# Altium PCB foxbms2-master.PcbDoc (part 4 of 11) (continued)
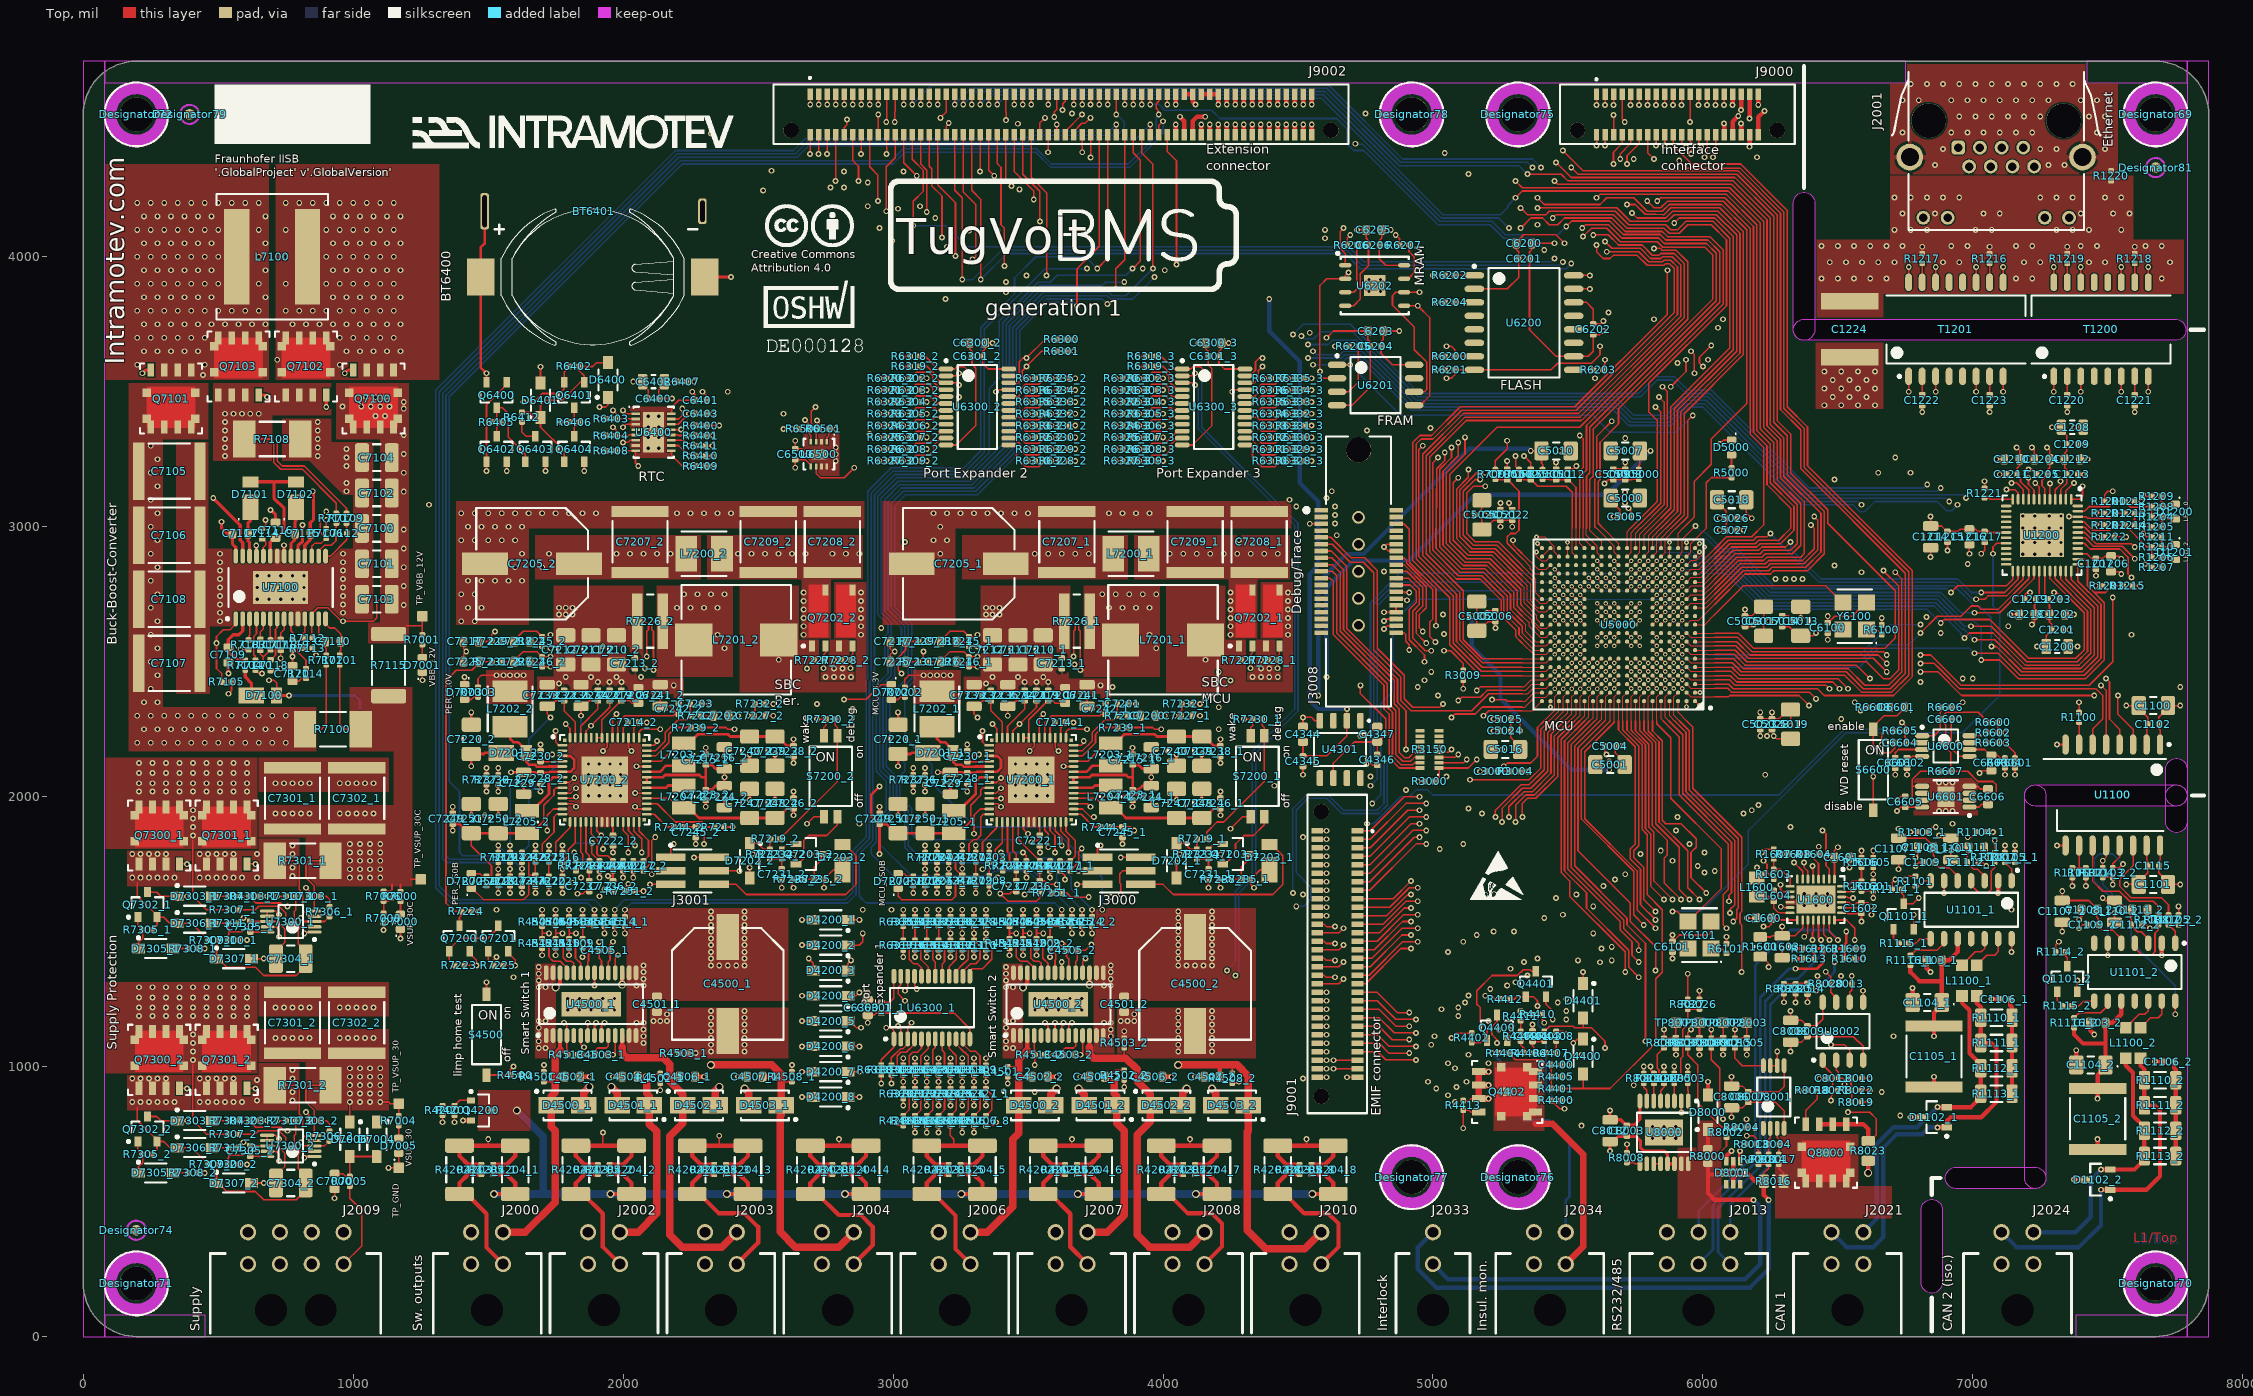
[diagram p0: Top view]
## Part data (continued)
U6601: "Automotive 60-V, 5-µA IQ, 100-mA low-dropout (LDO) voltage regulator with enable and power good", Manufacturer="Texas Instruments", Operating Temperature="-40°C - +125°C", Part Name=TPS7A16A-Q1, PnP Package=HVSSOP-8, Supplier Part Number 1=595-PS7A1650AQDGNRQ1, AEC-Q Grade="Grade 1", AEC-Q Norm=AEC-Q100, Automotive Qualified=True, ComponentLink1Description=Datasheet, ComponentLink1URL=http://www.ti.com/lit/ds/symlink/tps7a16a-q1.pdf, ECCN=EAR99, Part Number=TPS7A1650AQDGNRQ1, Supplier 1=Mouser, Supplier 2=Digikey, Supplier Part Number 2=296-TPS7A1650AQDGNRQ1TR-ND
U7100: "55-V wide VIN synchronous 4-switch buck-boost controller", Manufacturer="Texas Instruments", Operating Temperature="−40°C - +125°C", PnP Package=HTSSOP-28, Supplier Part Number 1=595-LM5176QPWPRQ1, Automotive Qualified=True, ComponentLink1Description=Datasheet, ComponentLink1URL=http://www.ti.com/lit/ds/symlink/lm5176-q1.pdf, Part Name=LM5176QPWPRQ1, Part Number=LM5176QPWPRQ1, Supplier 1=Mouser
U7200_1 U7200_2: "Fail-safe system basis chip with multiple SMPS and LDO", Manufacturer=NXP, Operating Temperature="−40°C - +125°C", PnP Package=HPQFN-56, Supplier Part Number 1=771-MC33FS8530A0ES, AEC-Q Grade="Grade 1", AEC-Q Norm=AEC-Q100, Automotive Qualified=True, ECCN=EAR99, Part Name=MC33FS8530A0ES, Part Number=MC33FS8530A0ES, Supplier 1=Mouser, Supplier 2=Digikey, Supplier Part Number 2=568-MC33FS8530A0ES-ND
U7300_1 U7300_2: "Low Quiescent Current Surge Stopper", Manufacturer="Analog Devices", Operating Temperature="−40°C - +125°C", Supplier Part Number 1=LTC4380HMS-4#PBF-ND, Automotive Qualified=False, ComponentLink1Description=Datasheet, ComponentLink1URL=https://www.analog.com/media/en/technical-documentation/data-sheets/LTC4380.pdf, Part Name=LTC4380HMS-4#PBF, Part Number=LTC4380HMS-4#PBF, Supplier 1=Digikey
U8000: "1000-mΩ Dual-Channel SmartHigh-Side Power Switch", Manufacturer="Texas Instruments", Operating Temperature="−40°C - +125°C", Supplier Part Number 1=595-TPS2H000BQPWPRQ1, AEC-Q Grade="Grade 1", AEC-Q Norm=AEC-Q100, Automotive Qualified=True, ComponentLink1Description=Datasheet, ComponentLink1URL=http://www.ti.com/lit/ds/symlink/tps2h000-q1.pdf, ECCN=EAR99, Part Name=TPS2H000BQPWPRQ1, Part Number=TPS2H000BQPWPRQ1, Supplier 1=Mouser, Supplier 2=Digikey, Supplier 3=Farnell, Supplier Part Number 2=296-45179-1-ND, Supplier Part Number 3=3124090
U8001: "Automotive, Wide Common-Mode Range, High- and Low-Side, Bidirectional, Zero-Drift, Current-Sense Amplifier With Enhanced PWM Rejection", Current - Input Bias=1nA, Current - Output / Channel=65mA, Current - Supply=2mA, Manufacturer="Texas Instruments", Operating Temperature="−40°C - +125°C", Package / Case="8-TSSOP,8-MSOP(0.118\",3.00mmWidth)", Package Description="8-Pin Mini Small Outline Package, Body 3 x 3 mm, Pitch 0.65 mm", Package Reference=RM-8, Package Version=10/2009, Standard Package=50, Supplier Device Package=8-MSOP, Supplier Part Number 1=595-INA240A1QPWRQ1, Voltage - Input Offset=60µV, Voltage - Supply, Single/Dual (±)=5V~36V,±2.5V~18V, -3db Bandwidth=10MHz, AEC-Q Grade="Grade 1", AEC-Q Norm=AEC-Q100, Amplifier Type=Instrumentation, Automotive Qualified=True, Category=IntegratedCircuits(ICs), ComponentLink1Description=Datasheet, ComponentLink1URL=http://www.ti.com/lit/ds/symlink/ina240-q1.pdf, Datasheet URL=http://www.analog.com/media/en/technical-documentation/data-sheets/AD8421.pdf, Datasheet Version="Rev. 0, 05/2012", ECCN=EAR99, EDA / CAD Models=DownloadfromAcceleratedDesigns, Family=Linear-Amplifiers-Instrumentation,OPAmps,BufferAmps, Featured Product=AD8421InstrumentationAmplifier, Gain Bandwidth Product=-, Manufacturer URL=http://www.analog.com/, Mfg Application Notes=WaterAnalysisSolutionforpH&ConductivityMeters, Mounting Technology=SurfaceMount, Mounting Type=SurfaceMount, Number of Circuits=1, Online Catalog=Instrumentation, Output Type=-, Package URL=http://www.analog.com/static/imported-files/packages/PKG_PDF/MSOP%28RM%29/RM_8.pdf, Packaging=Tube, Part Name=INA240A1QPWRQ1, Part Number=INA240A1QPWRQ1, Product Training Modules=CommonPhotodiodeOp-AmpCircuitProblemsandSolutionsIndirectCurrentFeedbackInstrumentationAmplifierApplicationsGuide, Series=-, Slew Rate=35V/µs, Supplier 1=Mouser, Supplier 2=Digikey, Supplier Part Number 2=296-50472-1-ND
U8002: "Automotive Dual Comparators", Manufacturer="Texas Instruments", Operating Temperature="−40°C - +125°C", Supplier Part Number 1=595-LM2903QDRQ1, AEC-Q Grade="Grade 1", AEC-Q Norm=AEC-Q100, Automotive Qualified=True, ComponentLink1Description=Datasheet, ComponentLink1URL=http://www.ti.com/lit/ds/symlink/lm2903-q1.pdf, ECCN=EAR99, Part Name=LM2903QDRQ1, Part Number=LM2903QDRQ1, Supplier 1=Mouser, Supplier 2=Digikey, Supplier Part Number 2=296-15183-1-ND
Y6100: "Automotive AEC-Q100 Oscillator 20MHz", Manufacturer=SiTime, Operating Temperature="-55°C - +125°C", AEC-Q Grade="Grade 0", AEC-Q Norm=AEC-Q100, Automotive Qualified=True, ComponentLink1Description=Datasheet, ComponentLink1URL=https://www.sitime.com/datasheet/SiT8924, ECCN=EAR99, Part Name=SiT8924BAT31-33N-20.000000, Part Number=SiT8924BAT31-33N-20.000000
Y6101: "Automotive AEC-Q100 Oscillator 25MHz", Manufacturer=SiTime, Operating Temperature="-55°C - +125°C", AEC-Q Grade="Grade 0", AEC-Q Norm=AEC-Q100, Automotive Qualified=True, ComponentLink1Description=Datasheet, ComponentLink1URL=https://www.sitime.com/datasheet/SiT8924, ECCN=EAR99, Part Name=SiT8924BAT31-33N-25.000000, Part Number=SiT8924BAT31-33N-25.000000

## Via types
v1: diameter 21.65, hole 11.81, Top to Bottom, 1680 vias
v2: diameter 21.65, hole 11.81, Top to Bottom, tented both sides, 970 vias
v3: diameter 17.72, hole 7.87, Top to Bottom, tented both sides, 172 vias
v4: diameter 17.72, hole 7.87, Top to Bottom, 23 vias
v5: diameter 29.53, hole 19.68, Top to Bottom, tented both sides, 17 vias
v6: diameter 29.53, hole 19.68, Top to Bottom, 9 vias

## Nets (pads, with @x,y where several pads share a name; then routed paths per layer and width w, separated by ;. In a path a pad name is that pad's centre, name@x,y a point inside that pad or via, vN(x,y) a via of type N, cw(c..) or ccw(c..) an arc to the next point about the centre after c; other vN are vias at no path point)
\CAN2.STB_iso_3: R1104_2.1 U1100.12 U1101_2.14 | length 817
  Top w6: R1104_2.1@7481.25,1736.47 v1(7481.25,1762.5) 7493.75,1775 U1100.12@7493.75,1819.24 ; v1(7750,1193.75) U1101_2.14@7750,1242.72
  Bottom w6: v1(7481.25,1762.5) 7481.25,1675 7587.5,1568.75 7587.5,1462.5 7750,1300 v1(7750,1193.75)
\DBG_RESET_1: C3000.2 D6601.1 J3008.9 J9002.69 R3004.1 R6601.1 R6603.2 S6600.2 U5000.B17 | length 8330.1
  Top w4: 5412.5,2281.25 5451.28,2320.03 5451.28,2369.78 U5000.B17@5467.03,2385.53
  Top w6: v1(3763.78,4564.86) J9002.69@3763.78,4602.36 ; J3008.9@4585.43,2960.63 4621,2960.63 4696.59,2885.04 4746.89,2885.04 4793.75,2838.18 4793.75,2550 4893.75,2450 4893.75,2362.5 4925,2331.25 5025,2331.25 v1(5037.5,2343.75) ; C3000.2@5238.83,2093.75 5262.5,2093.75 ; R3004.1@5288.53,2093.75 5262.5,2093.75 ; 5412.5,2281.25 5387.5,2256.25 5387.5,2150 5362.5,2125 5275,2125 v2(5262.5,2112.5) 5262.5,2093.75 ; v2(6631.25,2181.25) S6600.2@6631.25,2250 6631.25,2260.04 6671.21,2300 6719,2300 6746.31,2327.31 D6601.1@6746.31,2331.25 ; R6603.2@7092.72,2200 v2(7118.75,2200) 7156.25,2162.5 R6601.1@7156.25,2142.72
  Int3 (Sig) w6: v1(5050,2075) 5118.75,2075 5159.42,2115.67 5208.8,2115.67 5211.97,2112.5 v2(5262.5,2112.5) 5331.25,2043.75 6631.25,2043.75 6656.25,2068.75 6656.25,2131.25 ; v2(6631.25,2181.25) 6631.25,2156.25 6656.25,2131.25 ; v2(7118.75,2200) 7050,2131.25 6656.25,2131.25
  Int1 (Sig) w6: v1(3462.18,4492.91) 3462.5,4492.58 3462.5,4375 3631.25,4206.25 4887.5,4206.25 5150,3943.75 5150,3287.5 5062.5,3200 5062.5,3156.25 5081.25,3137.5 5081.25,2387.5 v1(5037.5,2343.75) 5037.5,2175.38 5050,2162.88 v1(5050,2075)
  Int5 (Pwr) w6: v1(3462.18,4492.91) 3507.7,4538.43 3586.57,4538.43 3641.89,4593.75 3734.89,4593.75 v1(3763.78,4564.86)
\TRST_13: J3008.21 R3150.16 | length 919.8
  Top w6: J3008.21@4585.43,2809.45 4618.75,2809.45 4631.25,2796.95 4631.25,2600 4818.75,2412.5 4818.75,2325 4837.5,2306.25 4837.5,2143.75 4875.15,2106.1 R3150.16@4952.07,2106.1
A_10_N: T1200.3 U1200.2 | length 596.1
  Top w6: U1200.2@7344.83,3101.62 7344.83,3132.33 v2(7375,3162.5) ; v2(7400,3500) T1200.3@7400,3557.04
  Int1 (Sig) w6: v2(7375,3162.5) 7375,3164.17 7365.33,3173.84 7365.33,3185.5 7365.33,3204.5 cw(c7373.33,3204.5) 7373.33,3212.5 7376.78,3212.5 ccw(c7376.78,3220.5) 7376.78,3228.5 7366.83,3228.5 cw(c7366.83,3236.5) 7366.83,3244.5 ccw(c7366.83,3252.5) 7366.83,3260.5 cw(c7366.83,3268.5) 7366.83,3276.5 7373.33,3276.5 ccw(c7373.33,3284.5) 7373.33,3292.5 cw(c7373.33,3300.5) 7365.33,3300.5 7365.33,3314.23 7365.33,3327.78 7353.17,3339.94 7353.17,3393.92 7371.83,3412.58 7371.83,3434.04 7359.25,3446.62 7359.25,3484.25 7375,3500 v2(7400,3500)
A_10_P: T1200.1 U1200.1 | length 596.6
  Top w6: v2(7300,3500) T1200.1@7300,3557.04 ; U1200.1@7364.52,3101.62 7395.37,3101.62 7406.25,3112.5 v2(7406.25,3150)
  Int1 (Sig) w6: v2(7300,3500) 7325,3500 7340.75,3484.25 7340.75,3446.62 7328.17,3434.04 7328.17,3412.58 7334.67,3406.08 7334.67,3332.28 7346.83,3320.12 7346.83,3159.81 7365.96,3140.67 7394.61,3140.67 7403.94,3150 v2(7406.25,3150)
ADREFHI: C5015.2 FB5002.2 U5000.V15 | length 461.3
  Top w4: 5516.15,2993.75 5516.15,2903.34 U5000.V15@5530.02,2889.47
  Top w6: FB5002.2@5318.75,3176.03 5333.58,3176.03 5335.94,3173.67 C5015.2@5362.5,3173.67 5364.47,3173.67 5388.14,3150 5493.75,3150 5516.15,3127.6 5516.15,2993.75
B_10_N: T1200.8 U1200.5 | length 813.2
  Top w6: v2(7285.78,3160.78) U1200.5@7285.78,3101.62 U1200.5@7287.5,3103.35 ; v2(7650,3500) T1200.8@7650,3557.04
  Int1 (Sig) w6: v2(7285.78,3160.78) v2(7285.78,3160.78) 7297.19,3149.44 7297.19,3142.36 7339.3,3100.25 7438.91,3100.25 7609.25,3270.59 7609.25,3403.38 7621.83,3415.96 7621.83,3434.04 7609.25,3446.62 7609.25,3484.25 7625,3500 v2(7650,3500)
B_10_P: T1200.6 U1200.4 | length 798.9
  Top w6: U1200.4@7305.46,3101.62 7305.46,3136.71 7325,3156.25 v2(7325,3168.75) ; v2(7550,3500) T1200.6@7550,3557.04
  Int1 (Sig) w6: v2(7325,3168.75) 7325,3166.72 7315.69,3157.41 7315.69,3150.02 7346.96,3118.75 7431.25,3118.75 7511.09,3198.59 7534.8,3222.3 ccw(c7529.15,3227.96) 7534.8,3233.62 7531.98,3236.45 cw(c7537.63,3242.1) 7531.98,3247.76 cw(c7537.63,3242.1) 7543.29,3247.76 7546.12,3244.93 ccw(c7551.78,3250.59) 7557.43,3244.93 7570.87,3258.37 7590.75,3278.25 7590.75,3403.38 7578.17,3415.96 7578.17,3434.04 7590.75,3446.62 7590.75,3484.25 7575,3500 v2(7550,3500)
BBS: C6403.2 U6400.1 U6400.14 | length 415
  Top w6: v2(2000,3431.25) 2012.35,3418.9 U6400.1@2045.96,3418.9 ; U6400.14@2179.04,3379.53 2204.53,3379.53 v2(2243.75,3418.75) C6403.2@2267.42,3418.75
  Int3 (Sig) w6: v2(2000,3431.25) 2150,3431.25 2175,3406.25 2231.25,3406.25 v2(2243.75,3418.75)
C_10_N: T1201.3 U1200.8 | length 919.1
  Top w6: v2(6862.5,3500) T1201.3@6862.5,3557.04 ; v2(7206.25,3181.25) 7206.25,3156.25 7226.72,3135.78 U1200.8@7226.72,3101.62
  Int1 (Sig) w6: v2(6862.5,3500) 6837.5,3500 6821.75,3484.25 6821.75,3446.62 6834.33,3434.04 6834.33,3415.96 6821.75,3403.38 6821.75,3328.25 6838.92,3311.08 6843.79,3306.21 6856.46,3293.54 6901.44,3248.56 ccw(c6907.09,3254.22) 6912.75,3248.56 6914.81,3250.62 cw(c6920.47,3244.97) 6926.13,3250.62 cw(c6920.47,3244.97) 6926.13,3239.31 6924.06,3237.25 ccw(c6929.72,3231.59) 6924.06,3225.94 6937.5,3212.5 6990.07,3159.93 7056.25,3093.75 7150,3093.75 7203.25,3147 7203.25,3178.25 v2(7206.25,3181.25)
C_10_P: T1201.1 U1200.7 | length 919.3
  Top w6: v2(6762.5,3500) T1201.1@6762.5,3557.04 ; v2(7231.25,3162.5) 7246.41,3147.34 U1200.7@7246.41,3101.62
  Int1 (Sig) w6: v2(6762.5,3500) 6787.5,3500 6803.25,3484.25 6803.25,3446.62 6790.67,3434.04 6790.67,3415.96 6803.25,3403.38 6803.25,3320.59 6825.84,3298 6830.71,3293.13 6976.99,3146.85 7048.59,3075.25 7157.66,3075.25 7230.09,3147.67 7230.09,3161.34 v2(7231.25,3162.5)
CAN1.H_1: D1102_1.1 J2021.4 L1100_1.4 R1110_1.2 R1111_1.2 | length 1509.7
  Top w16: v1(6868.75,775) 6868.85,775.1 D1102_1.1@6903.49,775.1 6903.49,797.24 6918.75,812.5 7031.25,812.5 7087.5,868.75 7087.5,1068.75 7068.75,1087.5 R1111_1.2@7029.43,1087.5 R1110_1.2@7029.43,1181.25 7029.43,1220.57 7015.06,1234.94 L1100_1.4@7015.06,1261.86
  Bottom w16: J2021.4@6476.42,386.42 6531.58,331.25 6631.25,331.25 6668.75,368.75 6668.75,700 6718.75,750 6812.5,750 6837.5,775 v1(6868.75,775)
CAN1.L_1: D1102_1.2 J2021.3 L1100_1.1 R1112_1.2 R1113_1.2 | length 1208.6
  Top w16: v1(6868.75,850) 6879.71,850 6879.81,849.9 D1102_1.2@6903.49,849.9 6993.11,849.9 7029.43,886.22 R1113_1.2@7029.43,900 R1112_1.2@7029.43,993.75 7029.43,1007.53 6987.5,1049.46 6987.5,1208.65 6959.94,1236.21 L1100_1.1@6959.94,1261.86
  Bottom w16: J2021.3@6594.45,386.42 6643.75,435.72 6643.75,712.5 6706.25,775 6793.75,775 v1(6868.75,850)
CAN2.EN_iso_3: R1103_2.1 U1100.13 U1101_2.6 | length 690.1
  Top w6: v1(7500,1412.5) U1101_2.6@7500,1457.28 ; U1100.13@7543.75,1819.24 7543.75,1776.29 7518.75,1751.29 R1103_2.1@7518.75,1736.47 7542.72,1736.47 v1(7556.25,1750)
  Bottom w6: v1(7500,1412.5) 7500,1523.85 7503.08,1526.93 7503.08,1634.42 7450,1687.5 7450,1768.75 7468.75,1787.5 7518.75,1787.5 v1(7556.25,1750)
CAN2.RX_iso_3: R1108_2.1 U1100.11 | length 446.6
  Top w6: U1100.11@7443.75,1819.24 7443.75,1687.5 7481.25,1650 7543.75,1650 7581.25,1612.5 7668.75,1612.5 7687.5,1593.75 R1108_2.1@7687.5,1561.47
CAN2.TX_iso_3: R1107_2.1 U1100.14 | length 419.5
  Top w6: U1100.14@7593.75,1819.24 7593.75,1743.75 7543.75,1693.75 7543.75,1668.75 7587.5,1625 7700,1625 7725,1600 R1107_2.1@7725,1561.47
COM_IO.\ETH_INT_1: R1222.1 U1200.44 U5000.J2 | length 2295.5
  Top w4: U5000.J2@5939.47,2606 5955.22,2590.26 6043.75,2590.26
  Top w6: 6043.75,2590.26 6128,2590.26 6180.76,2537.5 6668.75,2537.5 v1(6681.25,2525) ; v1(6806.25,2525) 6843.75,2525 6956.25,2412.5 7431.25,2412.5 7518.75,2500 v2(7518.75,2737.5) ; U1200.44@7389.12,2998.28 7414.22,2998.28 7450,2962.5 v2(7462.89,2962.5) R1222.1@7488.53,2962.5
  Int3 (Sig) w6: v1(6681.25,2525) v1(6806.25,2525)
  Int1 (Sig) w6: v2(7462.89,2962.5) 7518.75,2906.64 v2(7518.75,2737.5)
COM_IO.CAN_FAULT_1: Q1101_1.D R1114_1.2 U5000.G2 | length 1849.5
  Top w4: U5000.G2@5939.47,2543.01 5955.22,2527.26 6043.75,2527.26
  Top w6: 6043.75,2527.26 6116.49,2527.26 6156.25,2487.5 6568.75,2487.5 v1(6618.75,2437.5) ; R1114_1.2@6736.47,1656.25 6736.47,1641.42 6743.75,1634.14 Q1101_1.D@6743.75,1603.49 6778.49,1603.49 v1(6800,1625)
  Int3 (Sig) w6: v1(6618.75,2437.5) 6793.75,2437.5 v1(6806.25,2425)
  Int1 (Sig) w6: v1(6800,1625) 6818.75,1643.75 6818.75,2060.38 6806.25,2072.88 v1(6806.25,2425)
COM_IO.COM_IO_PE.IO0_0_1: R1103_1.1 R6302_2.1 R6320_2.2 U1101_1.6 U6300_2.4 | length 6158.1
  Top w6: R6320_2.2@3011.47,3550 v2(3037.5,3550) R6302_2.1@3063.53,3550 3085.36,3571.83 3134.04,3571.83 3146.83,3559.04 3146.83,3538.56 3177.66,3507.73 U6300_2.4@3196.36,3507.73 ; R1103_1.1@6830.22,1868.75 6847.67,1886.21 6861.21,1886.21 v1(6862.5,1887.5) ; v1(6893.75,1643.75) U1101_1.6@6893.75,1688.53
  Int1 (Sig) w6: v1(6828.32,2665.82) 6843.75,2650.38 6843.75,2568.75 6868.75,2543.75 6868.75,2200 6837.5,2168.75 6837.5,1912.5 v1(6862.5,1887.5) 6881.25,1887.5 6896.83,1871.92 6896.83,1842.65 6893.75,1839.58 v1(6893.75,1643.75)
  Int4 (Sig) w6: v1(6828.32,2665.82) 6828.32,2859.18 6806.25,2881.25 6806.25,3131.25 v1(6831.25,3156.25)
  Int6 (Sig) w6: v2(3037.5,3550) 3062.5,3575 3062.5,3593.75 3237.5,3768.75 4387.5,3768.75 4443.75,3712.5 v1(4481.25,3712.5)
  Bottom w6: v1(4481.25,3712.5) 4518.75,3750 4693.75,3750 4950,3493.75 5762.5,3493.75 5825,3556.25 5893.75,3556.25 5943.75,3506.25 6031.25,3506.25 6393.75,3143.75 6818.75,3143.75 v1(6831.25,3156.25)
COM_IO.COM_IO_PE.IO0_1_1: R1104_1.1 R6303_2.1 R6321_2.2 U1101_1.14 U6300_2.5 | length 6491
  Top w6: R6321_2.2@3011.47,3506.25 v2(3037.5,3506.25) R6303_2.1@3063.53,3506.25 3085.36,3528.08 3134.04,3528.08 3146.83,3515.29 3146.83,3496.92 3161.61,3482.14 U6300_2.5@3196.36,3482.14 ; v1(6981.25,1850.03) 6982.52,1851.29 6996.08,1851.29 R1104_1.1@7013.53,1868.75 ; v1(7143.75,1425) U1101_1.14@7143.75,1473.97
  Int1 (Sig) w6: v1(6881.25,2606.25) 6893.75,2593.75 6893.75,2193.75 6950,2137.5 6950,1900 6981.25,1868.75 v1(6981.25,1850.03) 6981.25,1693.75 7143.75,1531.25 v1(7143.75,1425)
  Int4 (Sig) w6: v1(6881.25,2606.25) 6850,2637.5 6850,2656.63 6850.14,2656.78 6850.14,2856.39 6881.25,2887.5 v1(6881.25,3143.75)
  Int6 (Sig) w6: v2(3037.5,3506.25) 3075,3543.75 3075,3587.5 3243.75,3756.25 4381.25,3756.25 4450,3687.5 4493.75,3687.5 v1(4512.5,3706.25)
  Bottom w6: v1(4512.5,3706.25) 4514.81,3706.25 4524.14,3696.92 4558.23,3696.92 4583.13,3721.83 4703.17,3721.83 4943.75,3481.25 5768.75,3481.25 5831.25,3543.75 5887.5,3543.75 5937.5,3493.75 6025,3493.75 6387.5,3131.25 6868.75,3131.25 v1(6881.25,3143.75)
COM_IO.COM_IO_PE.IO0_2_1: R6304_2.1 R6322_2.2 U1100.4 U6300_2.6 | length 6107.7
  Top w6: R6322_2.2@3011.47,3462.5 v2(3037.5,3462.5) R6304_2.1@3063.53,3462.5 3085.36,3484.33 3134.04,3484.33 3161.82,3456.55 U6300_2.6@3196.36,3456.55 ; v1(7493.75,2437.5) 7506.25,2425 7506.25,2287.5 7543.75,2250 U1100.4@7543.75,2193.26
  Int3 (Sig) w6: v1(7000,2437.5) 7012.5,2425 7450,2425 7462.5,2437.5 v1(7493.75,2437.5)
  Int1 (Sig) w6: v1(6975,3106.25) 6975,3075 6956.25,3056.25 6956.25,2637.5 6943.75,2625 6943.75,2556.25 7000,2500 v1(7000,2437.5)
  Int6 (Sig) w6: v2(3037.5,3462.5) 3087.5,3512.5 3087.5,3581.25 3250,3743.75 4375,3743.75 4443.75,3675 v1(4537.5,3675)
  Bottom w6: v1(4537.5,3675) 4612.12,3675 4627.69,3690.58 4715.67,3690.58 4937.5,3468.75 5687.5,3468.75 5743.75,3412.5 5862.5,3412.5 5931.25,3481.25 6018.75,3481.25 6381.25,3118.75 6962.5,3118.75 v1(6975,3106.25)
COM_IO.COM_IO_PE.IO0_3_1: R6305_2.1 R6323_2.2 U1100.5 U6300_2.7 | length 6025.8
  Top w6: R6323_2.2@3011.47,3418.75 v2(3037.5,3418.75) R6305_2.1@3063.53,3418.75 3085.36,3440.58 3155.18,3440.58 3164.8,3430.95 U6300_2.7@3196.36,3430.95 ; v1(7475,2412.5) 7493.75,2393.75 U1100.5@7493.75,2193.26
  Int3 (Sig) w6: v1(6962.5,2437.5) 6987.5,2412.5 v1(7475,2412.5)
  Int1 (Sig) w6: v1(6912.5,3093.75) 6912.5,3075 6943.75,3043.75 6943.75,2643.75 6931.25,2631.25 6931.25,2550 6962.5,2518.75 v1(6962.5,2437.5)
  Int6 (Sig) w6: v2(3037.5,3418.75) 3100,3481.25 3100,3575 3256.25,3731.25 4368.75,3731.25 4450,3650 v1(4556.25,3650)
  Bottom w6: v1(4556.25,3650) 4568.75,3637.5 4656.25,3637.5 4668.75,3650 4737.5,3650 4931.25,3456.25 5681.25,3456.25 5737.5,3400 5868.75,3400 5937.5,3468.75 6012.5,3468.75 6375,3106.25 6900,3106.25 v1(6912.5,3093.75)
COM_IO.COM_IO_PE.IO0_4_1: R6306_2.1 R6324_2.2 U6300_2.8 | length 197.5
  Top w6: R6324_2.2@3011.47,3375 v2(3037.5,3375) R6306_2.1@3063.53,3375 3085.36,3396.83 3145.44,3396.83 3153.97,3405.36 U6300_2.8@3196.36,3405.36
COM_IO.COM_IO_PE.IO0_5_1: R6307_2.1 R6325_2.2 U6300_2.9 | length 205
  Top w6: R6325_2.2@3011.47,3331.25 v2(3037.5,3331.25) R6307_2.1@3063.53,3331.25 3085.36,3353.08 3133.94,3353.08 3160.64,3379.77 U6300_2.9@3196.36,3379.77
COM_IO.COM_IO_PE.IO0_6_1: R6308_2.1 R6326_2.2 U6300_2.10 | length 213.2
  Top w6: R6326_2.2@3011.47,3287.5 v2(3037.5,3287.5) R6308_2.1@3063.53,3287.5 3085.36,3309.33 3133.94,3309.33 3146.83,3322.21 3146.83,3323.35 3177.66,3354.18 U6300_2.10@3196.36,3354.18
COM_IO.COM_IO_PE.IO0_7_1: R6309_2.1 R6327_2.2 U6300_2.11 | length 231.3
  Top w6: R6327_2.2@3011.47,3243.75 v2(3037.5,3243.75) R6309_2.1@3063.53,3243.75 3085.36,3265.58 3133.94,3265.58 3150,3281.63 3150,3300.94 3177.66,3328.59 U6300_2.11@3196.36,3328.59
COM_IO.COM_IO_PE.IO1_0_1: R6310_2.1 R6328_2.2 U6300_2.13 | length 248.4
  Top w6: U6300_2.13@3428.64,3303 3447.34,3303 3456.43,3293.91 3456.43,3256.45 3490.96,3221.92 3539.64,3221.92 R6310_2.1@3561.47,3243.75 v2(3586.98,3243.75) R6328_2.2@3612.5,3243.75
COM_IO.COM_IO_PE.IO1_1_1: R6311_2.1 R6329_2.2 U6300_2.14 | length 238.4
  Top w6: U6300_2.14@3428.64,3328.59 3447.34,3328.59 3475,3300.94 3475,3281.63 3490.96,3265.67 3539.64,3265.67 R6311_2.1@3561.47,3287.5 v2(3587.5,3287.5) R6329_2.2@3613.53,3287.5 R6329_2.2@3620.58,3287.5
COM_IO.COM_IO_PE.IO1_2_1: R6312_2.1 R6330_2.2 U1200.43 U6300_2.15 | length 5321.3
  Top w6: U6300_2.15@3428.64,3354.18 3447.34,3354.18 3478.17,3323.35 3478.17,3322.21 3490.96,3309.42 3539.64,3309.42 R6312_2.1@3561.47,3331.25 v2(3587.5,3331.25) R6330_2.2@3613.53,3331.25 ; U1200.43@7389.12,2978.59 7415.16,2978.59 7456.25,2937.5 7587.5,2937.5 v2(7600,2925)
  Int3 (Sig) w6: v1(6981.25,2862.5) 6993.75,2875 7375,2875 7425,2925 v2(7600,2925)
  Int4 (Sig) w6: v1(6943.75,3081.25) 6943.75,2900 v1(6981.25,2862.5)
  Int6 (Sig) w6: v2(3587.5,3331.25) 3631.25,3375 3631.25,3543.75 3793.75,3706.25 4356.25,3706.25 4462.5,3600 v1(4556.25,3600)
  Bottom w6: v1(4556.25,3600) 4656.25,3600 4681.25,3625 4725,3625 4918.75,3431.25 5668.75,3431.25 5725,3375 5881.25,3375 5950,3443.75 6000,3443.75 6362.5,3081.25 6556.25,3081.25 6581.25,3056.25 6600,3056.25 6637.5,3093.75 6867.96,3093.75 6902.28,3059.42 6921.92,3059.42 v1(6943.75,3081.25)
COM_IO.COM_IO_PE.IO1_3_1: R6313_2.1 R6331_2.2 U6300_2.16 | length 205
  Top w6: U6300_2.16@3428.64,3379.77 3463.98,3379.77 3490.58,3353.17 3539.64,3353.17 R6313_2.1@3561.47,3375 v2(3587.5,3375) R6331_2.2@3613.53,3375
COM_IO.COM_IO_PE.IO1_4_1: R6314_2.1 R6332_2.2 U1600.26 U6300_2.17 | length 5255.4
  Top w6: U6300_2.17@3428.64,3405.36 3474.15,3405.36 3482.59,3396.92 3539.64,3396.92 R6314_2.1@3561.47,3418.75 v2(3587.5,3418.75) R6332_2.2@3613.53,3418.75 ; U1600.26@6514.22,1628.59 6534.95,1628.59 6538.55,1625 v2(6556.25,1625)
  Int1 (Sig) w6: v2(6556.25,1625) 6518.75,1662.5 6518.75,1750 6562.5,1793.75 v1(6562.5,2350)
  Int4 (Sig) w6: v1(6562.5,2350) 6562.5,3056.25 v1(6587.5,3081.25)
  Int6 (Sig) w6: v2(3587.5,3418.75) 3618.75,3450 3618.75,3550 3787.5,3718.75 4362.5,3718.75 4456.25,3625 v1(4537.5,3625)
  Bottom w6: v1(4537.5,3625) 4662.5,3625 4675,3637.5 4731.25,3637.5 4925,3443.75 5675,3443.75 5731.25,3387.5 5875,3387.5 5943.75,3456.25 6006.25,3456.25 6368.75,3093.75 6575,3093.75 v1(6587.5,3081.25)
COM_IO.COM_IO_PE.IO1_5_1: R6315_2.1 R6333_2.2 U6300_2.18 | length 198
  Top w6: U6300_2.18@3428.64,3430.95 3480.95,3430.95 3490.67,3440.67 3539.64,3440.67 R6315_2.1@3561.47,3462.5 v2(3587.5,3462.5) R6333_2.2@3613.53,3462.5
COM_IO.COM_IO_PE.IO1_6_1: R6316_2.1 R6334_2.2 U6300_2.19 | length 205.5
  Top w6: U6300_2.19@3428.64,3456.55 3462.8,3456.55 3490.58,3484.33 3539.54,3484.33 R6316_2.1@3561.47,3506.25 R6334_2.2@3613.53,3506.25
COM_IO.COM_IO_PE.IO1_7_1: R6317_2.1 R6335_2.2 U6300_2.20 | length 224
  Top w6: U6300_2.20@3428.84,3482.33 U6300_2.20@3428.64,3482.14 3463.39,3482.14 3475,3493.75 3475,3512.12 3490.96,3528.08 3539.54,3528.08 R6317_2.1@3561.47,3550 v2(3587.5,3550) R6335_2.2@3613.53,3550
COM_IO.INH_1: C7217_1.2 D7004.1 R1101.2 R7229_1.2 S7200_1.1 | length 8997.1
  Top w6: D7004.1@1087.5,795.62 1126.87,795.62 v1(1137.5,806.25) ; v2(3031.25,2456.25) 3018.75,2468.75 3018.75,2515.54 3047.29,2544.09 C7217_1.2@3047.29,2575 R7229_1.2@3094.78,2575 ; v1(4250,1881.25) 4293.75,1925 S7200_1.1@4325,1925 ; v1(6750,1693.75) 6761.47,1705.22 R1101.2@6787.5,1705.22
  Int3 (Sig) w6: v1(1148.87,1536.47) 1162.41,1550 2062.5,1550 2118.75,1606.25 2862.5,1606.25 v1(2887.5,1581.25) ; v1(4412.46,2040.58) 4434.42,2040.58 4443.75,2031.25 4687.5,2031.25 4756.25,2100 4868.75,2100 4993.75,2225 5156.25,2225 5168.75,2212.5 5656.25,2212.5 5668.75,2225 6094.13,2225 6256.63,2387.5 6437.5,2387.5 6475,2350 6512.5,2312.5 v1(6512.5,2287.5)
  Int1 (Sig) w6: v1(1137.5,806.25) 1137.5,1525.09 v1(1148.87,1536.47) ; v1(2887.5,1581.25) 2900,1593.75 2900,2325 v2(3031.25,2456.25) ; v1(4250,1881.25) v1(4250,2430.69)
  Int4 (Sig) w6: v2(3031.25,2456.25) 3075,2456.25 3243.75,2625 4100,2625 4250,2475 v1(4250,2430.69) ; v1(4250,1881.25) 4396.29,2027.54 4399.43,2027.54 v1(4412.46,2040.58) ; v1@6512.5,2281.25 6512.5,2062.88 6706.25,1869.13 6706.25,1843.75 6750,1800 v1(6750,1693.75)
CONT_FB.IO0_0_1: J2000.1 R4202_1.2 R4203_1.2 | length 477.3
  Top w16: R4203_1.2@1475,601.03 1426.03,601.03 1393.75,568.75 R4202_1.2@1393.75,528.15 1420.32,528.15 1493.75,454.72 1493.75,329.75 J2000.1@1555.08,268.43
CONT_FB.IO0_1_1: J2002.1 R4202_2.2 R4203_2.2 | length 478.1
  Top w16: R4203_2.2@1906.25,601.03 1857.28,601.03 1825,568.75 R4202_2.2@1825,528.15 1851.57,528.15 1925,454.72 1925,331.57 J2002.1@1988.15,268.43
CONT_FB.IO0_2_1: J2003.1 R4202_3.2 R4203_3.2 | length 599.9
  Top w16: R4203_3.2@2337.5,601.03 2288.53,601.03 2256.25,568.75 R4202_3.2@2256.25,528.15 2282.82,528.15 2354.72,456.25 2450,456.25 2500,406.25 2500,347.2 J2003.1@2421.22,268.43
CONT_FB.IO0_3_1: J2004.1 R4202_4.2 R4203_4.2 | length 584.1
  Top w16: R4203_4.2@2775,601.03 2726.03,601.03 2693.75,568.75 R4202_4.2@2693.75,528.15 2720.32,528.15 2798.47,450 2881.25,450 2925,406.25 2925,339.13 J2004.1@2854.29,268.43
CONT_FB.IO0_4_1: J2006.1 R4202_5.2 R4203_5.2 | length 477.8
  Top w16: R4203_5.2@3206.25,601.03 3157.28,601.03 3125,568.75 R4202_5.2@3125,528.15 3151.57,528.15 3231.25,448.47 3231.25,324.54 J2006.1@3287.36,268.43
CONT_FB.IO0_5_1: J2007.1 R4202_6.2 R4203_6.2 | length 478.5
  Top w16: R4203_6.2@3637.5,601.03 3588.53,601.03 3556.25,568.75 R4202_6.2@3556.25,528.15 3582.82,528.15 3656.25,454.72 3656.25,332.61 J2007.1@3720.43,268.43
CONT_FB.IO0_6_1: J2008.1 R4202_7.2 R4203_7.2 | length 582.9
  Top w16: R4203_7.2@4075,601.03 4026.03,601.03 3993.75,568.75 R4202_7.2@3993.75,528.15 4020.32,528.15 4092.22,456.25 4181.25,456.25 4218.75,418.75 4218.75,333.67 J2008.1@4153.5,268.43
CONT_FB.IO0_7_1: J2010.1 R4202_8.2 R4203_8.2 | length 582.1
  Top w16: R4203_8.2@4506.25,601.03 4457.28,601.03 4425,568.75 R4202_8.2@4425,528.15 4451.57,528.15 4523.47,456.25 4612.5,456.25 4650,418.75 4650,331.85 J2010.1@4586.57,268.43
D_10_N: T1201.8 U1200.11 | length 621.5
  Top w6: v2(7112.5,3500) T1201.8@7112.5,3557.04 ; v2(7125,3137.5) 7156.25,3137.5 7167.67,3126.08 U1200.11@7167.67,3101.62
  Int1 (Sig) w6: v2(7112.5,3500) 7087.5,3500 7071.75,3484.25 7071.75,3446.62 7084.33,3434.04 7084.33,3415.96 7071.75,3403.38 7071.75,3340.31 7182.08,3229.98 7182.08,3162.43 7157.15,3137.5 v2(7125,3137.5)
D_10_P: T1201.6 U1200.10 | length 613.7
  Top w6: v2(7012.5,3500) T1201.6@7012.5,3557.04 ; v2(7143.75,3162.5) 7162.5,3162.5 7187.35,3137.65 U1200.10@7187.35,3101.62
  Int1 (Sig) w6: v2(7012.5,3500) 7037.5,3500 7053.25,3484.25 7053.25,3446.62 7040.67,3434.04 7040.67,3415.96 7053.25,3403.38 7053.25,3332.65 7058.38,3327.52 7071.81,3314.09 cw(c7066.15,3308.43) 7071.81,3302.77 7068.98,3299.94 ccw(c7074.64,3294.29) 7068.98,3288.63 ccw(c7074.64,3294.29) 7080.3,3288.63 7083.13,3291.46 cw(c7088.78,3285.8) 7094.44,3291.46 7121.07,3264.82 7163.58,3222.32 7163.58,3170.09 7157.89,3164.4 7145.65,3164.4 v2(7143.75,3162.5)
DBGACK_13: J3008.8
DBGRQ_13: J3008.7
DEBUG_LED_53: R5000.2 U5000.V2 | length 405.2
  Top w4: U5000.V2@5939.47,2889.47 5955.22,2905.22 5955.22,2936.47 6012.5,2993.75
  Top w6: 6012.5,2993.75 6012.5,3162.5 6032.28,3182.28 R5000.2@6106.25,3182.28
ETHERNET.LED_GN_A_1: J2001.12
ETHERNET.LED_GN_C_1: J2001.11
ETHERNET.LED_YE_A_1: J2001.10
ETHERNET.LED_YE_C_1: J2001.9
ETHERNET.RX1_1_N: J2001.6 T1200.9 | length 926
  Top w6: T1200.9@7650,3905.46 v2(7650,3962.5)
  Int3 (Sig) w6: J2001.6@7146.85,4334.45 7146.85,4297.26 7163.11,4281 7193.3,4281 7228,4281 ccw(c7228,4289) 7236,4289 7236,4293 cw(c7244,4293) 7252,4293 7252,4282.5 ccw(c7260,4282.5) 7268,4282.5 7268,4293 cw(c7276,4293) 7284,4293 7284,4282.5 ccw(c7292,4282.5) 7300,4282.5 7300,4293 cw(c7308,4293) 7316,4293 7316,4282.5 ccw(c7324,4282.5) 7332,4282.5 7332,4293 cw(c7340,4293) 7348,4293 7348,4289 ccw(c7356,4289) 7356,4281 7375,4281 7387.79,4281 7487.5,4181.29 7487.5,4118.5 7606.76,3999.24 7606.76,3983.74 7628,3962.5 v2(7650,3962.5)
ETHERNET.RX1_1_P: J2001.3 T1200.11 | length 917.5
  Top w6: T1200.11@7550,3905.46 v2(7550,3962.5)
  Int3 (Sig) w6: J2001.3@7026.38,4404.53 7058.93,4371.98 7090.52,4371.98 7106.25,4356.25 7106.25,4299.97 7149.97,4256.25 7386.37,4256.25 7469,4173.62 7469,4110.84 7542.34,4037.5 7555.42,4024.42 7588.26,3991.57 7588.26,3978.76 7572,3962.5 v2(7550,3962.5)
ETHERNET.RX2_1_N: J2001.8 T1201.9 | length 584.8
  Top w6: T1201.9@7112.5,3905.46 v2(7112.5,3962.5)
  Int1 (Sig) w6: v2(7112.5,3962.5) 7090.5,3962.5 7071.75,3981.25 7071.75,3989.72 7199.91,4117.88 7199.91,4187.5 7199.91,4206.5 cw(c7207.91,4206.5) 7207.91,4214.5 7211.91,4214.5 ccw(c7211.91,4222.5) 7211.91,4230.5 7201.41,4230.5 cw(c7201.41,4238.5) 7201.41,4246.5 7209.97,4246.5 ccw(c7209.97,4254.5) 7209.97,4262.5 7207.91,4262.5 cw(c7207.91,4270.5) 7199.91,4270.5 7199.91,4302.62 7199.91,4307.19 J2001.8@7227.17,4334.45
ETHERNET.RX2_1_P: J2001.7 T1201.11 | length 584.2
  Top w6: T1201.11@7012.5,3905.46 v2(7012.5,3962.5)
  Int1 (Sig) w6: v2(7012.5,3962.5) 7034.5,3962.5 7053.25,3981.25 7053.25,3997.38 7181.41,4125.54 7181.41,4309.65 7187.01,4315.25 J2001.7@7187.01,4404.53
ETHERNET.SHIELD_1: J2001.S1 J2001.S2 R1220.2
  other v1: 6860,4340 7280,4340 7340,4340 6890,4400 7250,4400 7310,4400 7490,4400 6740,4460 6920,4460 6980,4460 7040,4460 7100,4460 7160,4460 7220,4460 7460,4460 6950,4520 7010,4520 7070,4520 7130,4520 7190,4520 7250,4520 7430,4520 7490,4520 6740,4580 6800,4580 6920,4580 6980,4580 7040,4580 7100,4580 7160,4580 7220,4580 7280,4580 7400,4580 7460,4580 6770,4640 6830,4640 6890,4640 6950,4640 7010,4640 7070,4640 7130,4640 7190,4640 7250,4640 7310,4640 7370,4640
ETHERNET.TX1_1_N: J2001.2 T1200.14 | length 755
  Top w6: T1200.14@7400,3905.46 v2(7400,3962.5)
  Int3 (Sig) w6: J2001.2@6986.22,4334.45 6986.22,4328.11 6968.47,4310.35 6968.47,4269.03 7012.75,4224.75 7037.35,4224.75 7052.75,4224.75 ccw(c7052.75,4232.75) 7060.75,4232.75 ; 7060.75,4232.8 cw(c7068.75,4232.8) 7076.75,4232.8 7076.75,4226.25 ccw(c7084.75,4226.25) 7092.75,4226.25 7092.75,4236.75 cw(c7100.75,4236.75) 7108.75,4236.75 7108.75,4232.75 ccw(c7116.75,4232.75) 7116.75,4224.75 7131.25,4224.75 7143.75,4212.25 7356.76,3999.24 7356.76,3983.74 7378,3962.5 v2(7400,3962.5)
ETHERNET.TX1_1_P: J2001.1 T1200.16 | length 771.4
  Top w6: T1200.16@7300,3905.46 v2(7300,3962.5)
  Int3 (Sig) w6: J2001.1@6946.06,4404.53 6947.28,4403.31 6947.28,4373.45 6933.13,4359.3 6933.13,4303.97 6949.97,4287.13 6949.97,4261.37 7005.09,4206.25 7123.59,4206.25 7242.34,4087.5 7255.42,4074.42 7338.26,3991.57 7338.26,3978.76 7322,3962.5 v2(7300,3962.5)
ETHERNET.TX2_1_N: J2001.5 T1201.14 | length 644.8
  Top w6: T1201.14@6862.5,3905.46 v2(6862.5,3962.5)
  Int1 (Sig) w6: v2(6862.5,3962.5) 6840.5,3962.5 6824.24,3978.76 6824.24,3983.74 7106.69,4266.19 J2001.5@7106.69,4404.53
ETHERNET.TX2_1_P: J2001.4 T1201.16 | length 647.8
  Top w6: T1201.16@6762.5,3905.46 v2(6762.5,3962.5)
  Int1 (Sig) w6: v2(6762.5,3962.5) 6784.5,3962.5 6805.74,3983.74 6805.74,3991.4 7004.04,4189.71 7006.17,4191.83 ccw(c7000.51,4197.48) 7006.16,4203.14 7003.38,4205.92 cw(c7009.04,4211.58) 7003.38,4217.24 cw(c7009.04,4211.58) 7014.7,4217.24 7022.08,4209.86 ccw(c7027.73,4215.52) 7033.39,4209.86 ccw(c7027.73,4215.52) 7033.39,4221.17 7028.79,4225.77 cw(c7034.45,4231.43) 7028.79,4237.08 cw(c7034.45,4231.43) 7040.11,4237.08 ccw(c7045.76,4242.74) 7051.42,4237.08 7080.06,4265.72 7093.79,4279.45 7093.79,4302.28 7066.54,4329.53 J2001.4@7066.54,4334.45
ETMDATA8_13: J3008.37
ETMDATA9_13: J3008.35
ETMDATA10_13: J3008.33
ETMDATA11_13: J3008.31
ETMDATA12_13: J3008.29
ETMDATA13_13: J3008.27
ETMDATA14_13: J3008.25
ETMDATA15_13: J3008.23
EXTRIG_13: J3008.10